# Altium PCB PCB1.PcbDoc (part 3 of 8)
Units mm, origin at the board's own origin, x right, y up, seen from the top; angles counter-clockwise.
Board outline 215 x 62.44 mm, 6 copper layers (Top Layer, Layer 1, Layer 2, Layer 3, Layer 4, Bottom Layer), stack 1.538 mm thick; 444 components, 475 nets, 1876 pads, 1257 vias.
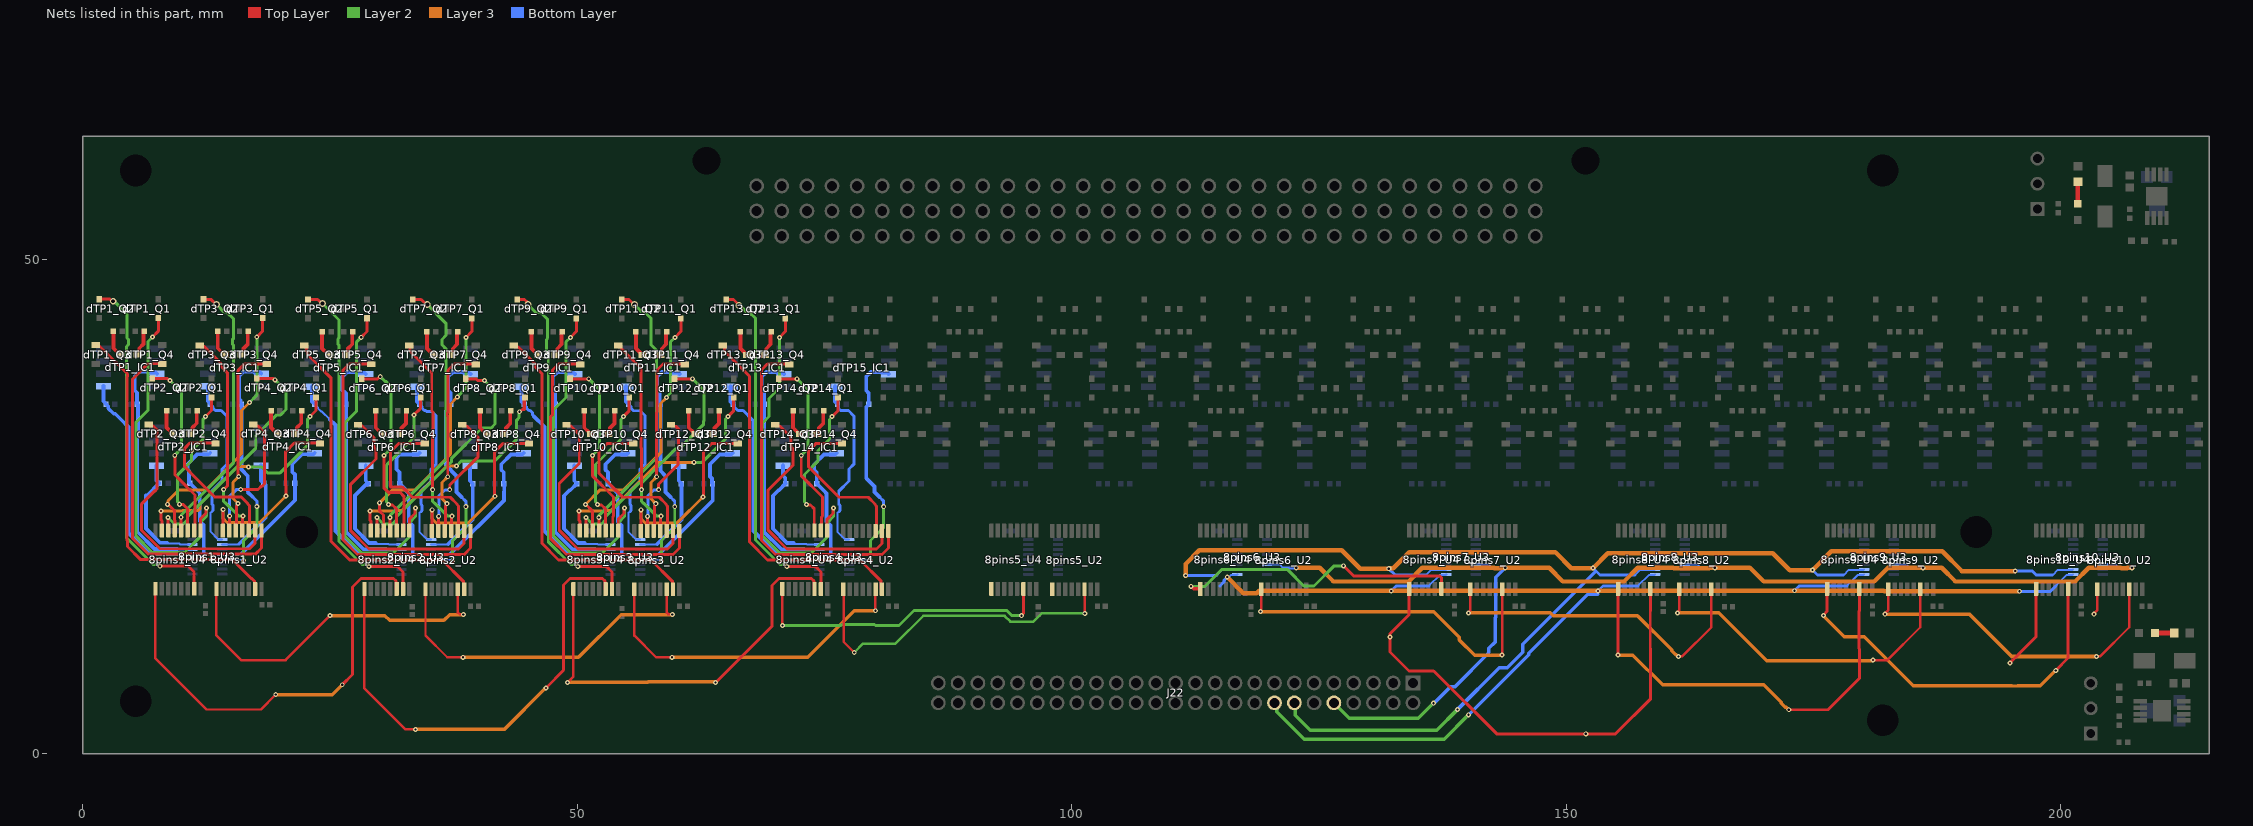
[diagram p7: the nets of this part, all layers, seen from the top]

## Via types
v1: diameter 0.5, hole 0.22, Top Layer to Bottom Layer, 884 vias
v2: diameter 0.5/0.5/0.5/0.5/0.5/0.5 (per signal layer), hole 0.22, Top Layer to Bottom Layer, tented both sides, 221 vias
v3: diameter 0.7, hole 0.4, Top Layer to Bottom Layer, 143 vias
v4: diameter 1.2, hole 0.5, Top Layer to Bottom Layer, 9 vias

## Nets (pads, with @x,y where several pads share a name; then routed paths per layer and width w, separated by ;. In a path a pad name is that pad's centre, name@x,y a point inside that pad or via, vN(x,y) a via of type N, cw(c..) or ccw(c..) an arc to the next point about the centre after c; other vN are vias at no path point) (continued)
MUXes_6TO10_A1_41: 8pins6_U3.9 8pins7_U3.9 8pins8_U3.9 8pins9_U3.9 8pins10_U3.9 J22.16 | length 151.6
  Layer 2 w0.35: J22.16@120.5,5.175 120.714,4.961 120.714,4.286 123.5,1.5 137.654,1.5 v1(140.114,3.961)
  Layer 3 w0.45: v1(115.714,17.896) 117.344,16.266 118.702,16.266 118.931,16.495 v1(132.3,16.495) v1(153.2,16.495) 153.208,16.502 173.057,16.502 v1(173.065,16.51) 181.484,16.51 181.498,16.524 182.102,16.524 182.171,16.455 v1(195.817,16.455)
  Bottom Layer w0.2: 114.984,16.995 115.481,17.492 ; v1@115.8,17.81 116.11,18.121 116.687,18.121 8pins6_U3.9@116.734,18.168 ; 136.113,16.995 137.239,18.121 137.816,18.121 8pins7_U3.9@137.863,18.168 ; 157.242,16.995 158.368,18.121 158.945,18.121 8pins8_U3.9@158.992,18.168 ; 178.371,16.995 179.497,18.121 180.074,18.121 8pins9_U3.9@180.121,18.168 ; 199.5,16.995 200.626,18.121 201.203,18.121 8pins10_U3.9@201.25,18.168
  Bottom Layer w0.3: 114.984,16.995 115.395,17.406 115.395,17.578 v1(115.714,17.896) ; v1(132.3,16.495) 132.8,16.995 136.113,16.995 ; 153.162,16.162 153.162,16.457 153.7,16.995 157.242,16.995 ; v1(173.065,16.51) 173.55,16.995 178.371,16.995 ; v1(195.817,16.455) 198.96,16.455 199.5,16.995
  Bottom Layer w0.35: v1(140.114,3.961) 140.129,3.961 146.208,10.039 146.208,10.208 152.162,16.162 153.162,16.162
MUXes_6TO10_A2_41: 8pins6_U3.10 8pins7_U3.10 8pins8_U3.10 8pins9_U3.10 8pins10_U3.10 J22.14 | length 160.8
  Layer 2 w0.35: J22.14@122.5,5.175 122.58,5.095 122.58,3.92 124.104,2.396 136.896,2.396 v1(139,4.5)
  Layer 3 w0.45: v1(111.511,18.035) 111.511,19.211 112.896,20.595 127.3,20.595 129.154,18.741 v1(132.054,18.741) ; v1@132,18.795 132.016,18.779 132.146,18.779 132.162,18.795 132.5,18.795 134.1,20.395 148.9,20.395 150.5,18.795 v1(152.7,18.795) 154.2,20.295 170.887,20.295 172.587,18.595 v1(174.9,18.595) 176.8,20.495 188.005,20.495 190.005,18.495 v1(195.4,18.495)
  Bottom Layer w0.2: 114.667,18.095 115.194,18.622 116.688,18.622 8pins6_U3.10@116.734,18.668 ; 135.796,18.095 136.323,18.622 137.817,18.622 8pins7_U3.10@137.863,18.668 ; 156.925,18.095 157.452,18.622 158.946,18.622 8pins8_U3.10@158.992,18.668 ; 178.054,18.095 178.581,18.622 180.075,18.622 8pins9_U3.10@180.121,18.668 ; 199.183,18.095 199.71,18.622 201.204,18.622 8pins10_U3.10@201.25,18.668
  Bottom Layer w0.3: v1(111.511,18.035) 114.608,18.035 114.667,18.095 ; v1(132.054,18.741) 132.7,18.095 135.796,18.095 ; v1(152.7,18.795) 152.997,18.497 153.4,18.095 156.925,18.095 ; v1(174.9,18.595) 175.4,18.095 178.054,18.095 ; v1(195.4,18.495) 197.118,18.495 197.518,18.095 199.183,18.095
  Bottom Layer w0.35: v1(139,4.5) 143.217,8.717 144.031,8.717 145.604,10.29 145.604,11.104 152.997,18.497
MUXes_6TO10_nEN_41: 8pins6_U3.6 8pins7_U3.6 8pins8_U3.6 8pins9_U3.6 8pins10_U3.6 J22.10 | length 133.1
  Layer 2 w0.35: J22.10@126.5,5.175 128.071,3.604 135.034,3.604 v1(136.565,5.136)
  Layer 3 w0.45: v1(122.696,18.827) 125.068,18.827 126.454,17.441 134.06,17.441 135.446,18.827 142.7,18.827 142.729,18.799 143.333,18.799 143.361,18.827 v1(143.825,18.827) 148.268,18.827 149.654,17.441 155.846,17.441 157.232,18.827 160.833,18.827 160.861,18.799 164.462,18.799 164.48,18.817 165.007,18.817 v1(165.016,18.827) 168.568,18.827 169.954,17.441 181.146,17.441 182.532,18.827 v1(186.083,18.827) 187.968,18.827 189.354,17.441 201.446,17.441 202.832,18.827 206.087,18.827 206.116,18.799 206.719,18.799 206.748,18.827 v1(207.212,18.827)
  Bottom Layer w0.2: 8pins6_U3.6@119.734,19.168 121.003,19.168 121.344,18.827 ; 8pins7_U3.6@140.863,19.168 142.132,19.168 142.473,18.827 ; 8pins8_U3.6@161.992,19.168 163.261,19.168 163.602,18.827 ; 8pins9_U3.6@183.121,19.168 184.39,19.168 184.731,18.827 ; 8pins10_U3.6@204.25,19.168 205.519,19.168 205.86,18.827
  Bottom Layer w0.3: 121.344,18.827 v1(122.696,18.827) ; 142.473,18.827 v1(143.825,18.827) ; 163.602,18.827 v1(165.016,18.827) ; 184.731,18.827 v1(186.083,18.827) ; 205.86,18.827 v1(207.212,18.827)
  Bottom Layer w0.35: v1@136.605,5.105 138.321,6.821 138.781,6.821 142.179,10.219 142.179,10.679 142.821,11.321 142.821,13.771 142.887,13.836 142.887,17.888 v1(143.825,18.827)
Net8pins1_U2_9: 8pins1_U2.9 8pins2_U2.14 | length 36
  Top Layer w0.25: 8pins1_U2.9@13.51,16.683 13.505,16.678 13.505,11.99 15.995,9.5 20.5,9.5 v1(25,14) ; 8pins2_U2.14@37.918,16.648 37.918,14.3 38.102,14.117 38.451,14.117 v1(38.468,14.1)
  Layer 3 w0.35: v1(25,14) 30.534,14 31.02,13.514 36.514,13.514 37.1,14.1 v1(38.468,14.1)
Net8pins1_U4_9: 8pins1_U4.9 8pins2_U4.14 | length 45.1
  Top Layer w0.25: 8pins1_U4.9@7.338,16.712 7.338,9.667 12.505,4.5 18,4.5 v1(19.5,6)
  Top Layer w0.3: v1(26.224,7) 27.272,8.048 27.272,16.883 28.131,17.742 31.413,17.742 31.647,17.508 8pins2_U4.14@31.647,16.686
  Layer 3 w0.35: v1(19.5,6) 25.224,6 v1(26.224,7)
Net8pins2_U2_9: 8pins2_U2.9 8pins3_U2.14 | length 35.3
  Top Layer w0.25: 8pins2_U2.9@34.643,16.663 34.643,11.975 36.838,9.78 v1(38.438,9.78) ; 8pins3_U2.14@59.047,16.648 59.047,14.3 59.231,14.117 59.58,14.117 v1(59.597,14.1)
  Layer 3 w0.35: v1(38.438,9.78) 50.112,9.78 54.432,14.1 v1(59.597,14.1)
Net8pins2_U4_9: 8pins2_U4.9 8pins3_U4.14 | length 48.4
  Top Layer w0.25: 8pins2_U4.9@28.472,16.692 28.472,6.637 32.628,2.48 v1(33.633,2.48)
  Top Layer w0.3: v1(46.815,6.685) 48.608,8.479 48.608,17.09 49.26,17.742 52.542,17.742 52.776,17.508 8pins3_U4.14@52.776,16.686
  Layer 3 w0.35: v1(33.633,2.48) 42.61,2.48 v1(46.815,6.685)
Net8pins3_U2_9: 8pins3_U2.9 8pins4_U2.14 | length 34.1
  Top Layer w0.25: 8pins3_U2.9@55.772,16.663 55.772,11.975 57.967,9.78 v1(59.567,9.78) ; v1(80.135,14.485) 80.143,14.493 80.143,16.615 8pins4_U2.14@80.176,16.648
  Layer 3 w0.35: v1(59.567,9.78) 73.28,9.78 77.985,14.485 v1(80.135,14.485)
Net8pins3_U4_9: 8pins3_U4.9 8pins4_U4.14 | length 42.4
  Top Layer w0.25: v1(49,7.217) 49.601,7.818 8pins3_U4.9@49.601,16.692
  Top Layer w0.3: v1(63.959,7.217) 64,7.217 69.69,12.907 69.69,17.044 70.389,17.742 73.671,17.742 73.905,17.508 73.905,16.767 8pins4_U4.14@73.98,16.692
  Layer 3 w0.35: v1(49,7.217) 49.029,7.246 49.135,7.246 49.16,7.271 57.131,7.271 57.153,7.292 63.844,7.292 63.919,7.217 v1(63.959,7.217)
Net8pins4_U2_9: 8pins4_U2.9 8pins5_U2.14 | length 34.7
  Top Layer w0.25: 8pins4_U2.9@76.901,16.663 76.918,16.646 76.918,11.353 v1(78,10.271) ; 8pins5_U2.14@101.305,16.648 101.295,16.638 101.295,14.234 v1(101.31,14.219)
  Layer 2 w0.25: v1(78,10.271) 78.885,11.156 82.156,11.156 84.971,13.971 93.206,13.971 93.788,13.389 94.628,13.389 94.659,13.358 95.18,13.358 95.212,13.389 96.118,13.389 96.948,14.219 v1(101.31,14.219)
Net8pins4_U4_9: 8pins4_U4.9 8pins5_U4.14 | length 31.4
  Top Layer w0.25: v1@70.74,13.115 8pins4_U4.9@70.74,16.682
  Top Layer w0.3: v1(94.92,13.987) 94.92,14.041 95.109,14.23 8pins5_U4.14@95.109,16.692
  Layer 2 w0.3: v1@70.756,12.995 76.659,12.995 76.745,13.081 80.051,13.081 80.137,12.995 82.524,12.995 84.029,14.5 93.425,14.5 93.938,13.987 v1(94.92,13.987)
  other v1: 70.751,13
Net8pins5_U2_9: 8pins5_U2.9
Net8pins5_U4_9: 8pins5_U4.9
Net8pins6_U2_9: 8pins6_U2.9 8pins7_U2.14 | length 35.3
  Top Layer w0.25: v1(119.075,14.404) 119.075,14.472 119.159,14.556 8pins6_U2.9@119.159,16.663 ; v1(143.5,10) 143.519,10.019 143.519,16.585 8pins7_U2.14@143.538,16.604
  Layer 3 w0.35: v1(119.075,14.404) 136.596,14.404 139.193,11.807 139.193,11.53 140.723,10 v1(143.5,10)
Net8pins6_U4_9: 8pins6_U4.9 8pins7_U4.14 | length 30.2
  Top Layer w0.3: v1@127.5,19 128.482,18.018 137.191,18.018 137.367,17.842 8pins7_U4.14@137.367,16.692
  Top Layer w0.35: v1(112.061,16.958) 112.07,16.958 112.335,16.692 8pins6_U4.9@112.988,16.692
  Layer 2 w0.3: v1(112.061,16.958) 113.458,16.958 115.133,18.633 120.799,18.633 120.808,18.642 121.35,18.642 121.358,18.633 121.83,18.633 123.463,17 124.5,17 126.531,19.031 v1(127.461,19.031)
Net8pins7_U2_9: 8pins7_U2.9 8pins8_U2.14 | length 33.9
  Top Layer w0.25: v1(140.115,14.272) 140.115,14.34 140.288,14.513 8pins7_U2.9@140.288,16.663 ; v1(161.342,9.859) 161.351,9.868 161.716,9.868 164.667,12.82 8pins8_U2.14@164.667,16.604
  Layer 3 w0.35: v1(140.115,14.272) 148.389,14.272 148.661,14 157.2,14 160.673,10.527 160.673,10.437 161.071,10.04 161.12,10.04 161.301,9.859 v1(161.342,9.859)
Net8pins7_U4_9: 8pins7_U4.9 8pins8_U4.14 | length 49.5
  Top Layer w0.3: 8pins7_U4.9@134.117,16.692 134.117,14.117 132.195,12.195 132.195,11.836 v1(132.179,11.821) 132.183,11.816 132.183,10.317 134.095,8.405 136.595,8.405 142.96,2.04 v1(151.971,2.04) 154.987,2.04 158.53,5.583 158.53,10.617 158.49,10.657 158.49,14.468 ; 158.497,14.475 8pins8_U4.14@158.497,16.694
Net8pins8_U2_9: 8pins8_U2.9 8pins9_U2.14 | length 34.2
  Top Layer w0.25: v1(161.244,14.272) 161.244,14.34 161.417,14.513 8pins8_U2.9@161.417,16.663 ; v1(181,9.5) 182.476,9.5 185.796,12.82 8pins9_U2.14@185.796,16.604
  Layer 3 w0.35: v1(161.244,14.272) 165.401,14.272 170.251,9.422 180.882,9.422 180.959,9.5 v1(181,9.5)
Net8pins8_U4_9: 8pins8_U4.9 8pins9_U4.14 | length 43.8
  Top Layer w0.3: v1(155.243,10) 155.246,10.002 8pins8_U4.9@155.246,16.692 ; v1(172.504,4.473) 176.473,4.473 179.659,7.659 179.659,10.617 179.619,10.657 179.619,14.468 ; 179.626,14.475 8pins9_U4.14@179.626,16.694
  Layer 3 w0.35: v1(155.243,10) 156.735,10 159.735,7 169.977,7 171.752,5.225 171.752,5.119 172.15,4.721 172.224,4.721 172.472,4.473 v1(172.504,4.473)
Net8pins9_U2_9: 8pins9_U2.9 8pins10_U2.14 | length 34.1
  Top Layer w0.25: v1(182.24,14.139) 182.24,14.207 182.546,14.513 8pins9_U2.9@182.546,16.663 ; v1(203.6,9.859) 203.609,9.868 203.974,9.868 206.925,12.82 8pins10_U2.14@206.925,16.604
  Layer 3 w0.355: v1(182.24,14.139) 190.78,14.139 195.06,9.859 v1(203.6,9.859)
Net8pins9_U4_9: 8pins9_U4.9 8pins10_U4.14 | length 38.7
  Top Layer w0.3: v1(176,14) 176,14.054 176.375,14.429 8pins9_U4.9@176.375,16.692 ; v1(199.5,8.451) 200.746,9.697 200.746,14.466 200.754,14.473 8pins10_U4.14@200.754,16.692
  Layer 3 w0.35: v1(176,14) 178.124,11.876 180.118,11.876 185.098,6.896 195.047,6.896 195.067,6.876 195.63,6.876 195.649,6.896 197.945,6.896 v1(199.5,8.451)
Net8pins10_U2_9: 8pins10_U2.9 | length 2.7
  Top Layer w0.25: v1(203.369,14.139) 203.369,14.207 203.675,14.513 8pins10_U2.9@203.675,16.663
Net8pins10_U4_9: 8pins10_U4.9 | length 8.6
  Top Layer w0.3: v1(194.852,9.202) 197.502,11.852 197.502,16.69 8pins10_U4.9@197.504,16.692
NetD1_1: D1.1 R11.2 | length 2
  Top Layer w0.5: D1.1@209.547,12.239 R11.2@211.501,12.239
NetD3_1: D3.1 R17.2 | length 2.2
  Top Layer w0.5: D3.1@201.718,55.646 201.718,57.868 R17.2@201.734,57.883
NetdTP1_IC1_1: 8pins1_U3.13 dTP1_IC1.1 dTP1_R5.2 | length 23.3
  Bottom Layer w0.2: 6.785,20.192 7.014,20.192 7.018,20.188 9.745,20.188 9.749,20.192 8pins1_U3.13@11.08,20.192
  Bottom Layer w0.25: 6.785,20.192 6.789,20.188
  Bottom Layer w0.381: dTP1_IC1.1@2.07,37.206 2.07,35.673 dTP1_R5.2@2.332,35.411 ; dTP1_R5.2@2.334,35.387 2.568,35.153 2.568,34.95 3.118,34.401 3.272,34.401 3.821,33.851 3.83,33.851 4.624,33.056 4.624,22.353 6.785,20.192
NetdTP1_IC1_7: 8pins1_U3.14 dTP1_IC1.7 dTP1_R6.2 | length 24.7
  Bottom Layer w0.2: 9.52,20.732 9.564,20.688 8pins1_U3.14@11.084,20.688
  Bottom Layer w0.381: dTP1_R6.2@5.482,35.411 5.482,36.529 5.232,36.779 5.232,38.194 5.705,38.668 6.7,38.668 6.781,38.587 7.361,38.587 dTP1_IC1.7@7.496,38.452 ; dTP1_R6.2@5.484,35.387 5.564,35.307 5.564,32.609 5.493,32.538 5.493,22.482 7.243,20.732 9.52,20.732
NetdTP1_Q1_1: 8pins1_U4.1 dTP1_Q1.1 | length 35.9
  Top Layer w0.3: v1(7.032,42.161) 7.622,42.751 dTP1_Q1.1@7.622,44.087 ; 8pins1_U4.1@11.872,23.29 11.872,23.762 12.457,24.347 12.457,24.786 12.508,24.837 v1(12.508,24.891)
  Layer 2 w0.3: v1(7.032,42.161) 6.58,41.71 6.58,34.76 5.345,33.525 5.345,22.071 7.047,20.37 10.273,20.37 11.873,21.97 11.873,23.409 12.508,24.044 v1(12.508,24.891)
NetdTP1_Q2_1: 8pins1_U4.15 dTP1_Q2.1 | length 36.2
  Top Layer w0.3: dTP1_Q2.1@1.646,45.987 2.75,45.987 2.955,45.782 v3(3.064,45.782) ; v1(7.784,18.993) 10.667,18.993 11.238,18.422 8pins1_U4.15@11.238,16.712
  Layer 2 w0.3: v3(3.064,45.782) 3.163,45.782 4.447,44.498 4.447,42.072 4.586,41.932 4.586,41.39 4.4,41.205 4.4,21.874 7.098,19.176 7.547,19.176 7.73,18.993 v1(7.784,18.993)
NetdTP1_Q3_1: 8pins1_U2.15 dTP1_Q3.1 | length 37
  Top Layer w0.3: dTP1_Q3.1@1.282,41.361 1.432,41.211 1.732,41.211 4.5,38.443 4.5,38.178 4.477,38.155 4.477,21.572 4.5,21.549 4.5,20.986 5.839,19.647 15.129,19.647 17.044,17.733 17.101,17.733 17.335,17.499 17.335,16.758 8pins1_U2.15@17.41,16.683
NetdTP1_Q3_3: dTP1_Q3.3 dTP1_R7.2 | length 2.7
  Top Layer w0.381: dTP1_R7.2@3.082,42.761 3.082,41.039 dTP1_Q3.3@3.547,40.573 ; dTP1_Q3.3@3.589,40.479 dTP1_Q3.3@3.914,40.479
NetdTP1_Q4_1: 8pins1_U2.1 dTP1_Q4.1 | length 35.5
  Top Layer w0.3: dTP1_Q4.1@8.032,39.461 6.567,39.461 5.031,37.926 5.031,21.802 6.631,20.201 17.42,20.201 18.06,20.841 8pins1_U2.1@18.06,22.583
NetdTP1_Q4_3: dTP1_Q4.3 dTP1_R8.2 | length 2.6
  Top Layer w0.381: dTP1_Q4.3@5.532,40.411 5.583,40.411 5.693,40.521 5.693,41.022 6.131,41.46 6.131,42.71 dTP1_R8.2@6.182,42.761
NetdTP2_IC1_1: 8pins1_U3.15 dTP2_IC1.1 dTP2_R5.2 | length 12.5
  Bottom Layer w0.2: 8.49,21.367 8.58,21.277 9.745,21.277 9.834,21.188 8pins1_U3.15@11.084,21.188
  Bottom Layer w0.381: dTP2_IC1.1@7.445,29.185 7.445,27.652 7.707,27.39 7.707,27.364 6.513,26.17 6.378,26.17 6.378,22.791 7.802,21.367 8.49,21.367
NetdTP2_IC1_7: 8pins1_U3.12 dTP2_IC1.7 dTP2_R6.2 | length 13.7
  Bottom Layer w0.2: 8pins1_U3.12@11.084,19.688 11.134,19.738 11.705,19.738 12.229,20.262 12.229,20.268
  Bottom Layer w0.381: dTP2_R6.2@10.723,27.475 10.723,28.642 10.607,28.758 10.607,29.333 11.595,30.321 12.735,30.321 dTP2_IC1.7@12.869,30.455 ; dTP2_R6.2@10.807,27.39 11.355,26.842 11.355,26.832 11.814,26.374 11.814,23.529 12.229,23.113 12.229,20.268
NetdTP2_Q1_1: 8pins1_U4.3 dTP2_Q1.1 | length 15.6
  Top Layer w0.3: v1(9.782,25.249) 9.82,25.21 10.176,25.21 10.561,24.825 8pins1_U4.3@10.561,22.531 ; v1(12.407,34.14) 12.995,34.728
  Top Layer w0.31: 12.995,34.728 12.997,34.73 dTP2_Q1.1@12.997,36.066
  Layer 2 w0.3: v1(9.782,25.249) 9.782,25.303 9.587,25.498 9.587,27.285 9.577,27.295 9.577,28.246 10.967,29.635 v1(10.967,30.674) 12.157,31.865 12.157,33.858 12.407,34.108 v1(12.407,34.14)
NetdTP2_Q2_1: 8pins1_U4.2 dTP2_Q2.1 | length 18.7
  Top Layer w0.3: dTP2_Q2.1@7.021,37.966 8.544,37.966 8.745,37.766 v1(8.799,37.766) ; v1(9.288,30.201) 9.307,30.182 9.307,28.203 9.733,27.777 11.322,26.188 11.322,25.54 11.313,25.531 11.313,22.687 8pins1_U4.2@11.238,22.612
  Layer 2 w0.3: v1(8.799,37.766) 9.976,36.588 9.976,30.891 9.288,30.203 v1(9.288,30.201)
NetdTP2_Q3_1: 8pins1_U2.2 dTP2_Q3.1 | length 25.7
  Top Layer w0.3: dTP2_Q3.1@6.657,33.34 6.832,33.166 7.132,33.166 7.495,32.803 7.495,26.794 7.319,26.618 7.276,26.618 5.904,25.246 5.904,22.655 7.804,20.755 16.857,20.755 17.405,21.304 17.405,22.578 8pins1_U2.2@17.41,22.583
NetdTP2_Q3_3: dTP2_Q3.3 dTP2_R7.2 | length 2.7
  Top Layer w0.381: dTP2_R7.2@8.457,34.74 8.457,33.018 dTP2_Q3.3@8.923,32.552 ; dTP2_Q3.3@8.965,32.458 dTP2_Q3.3@9.29,32.458
NetdTP2_Q4_1: 8pins1_U2.3 dTP2_Q4.1 | length 16
  Top Layer w0.3: dTP2_Q4.1@13.407,31.44 10.807,31.44 10.289,30.921 10.289,29.035 11.482,27.841 11.482,27.831 13.331,25.983 16.013,25.983 16.699,25.297 16.699,25.243 16.835,25.107 16.835,22.658 8pins1_U2.3@16.76,22.583
NetdTP2_Q4_3: dTP2_Q4.3 dTP2_R8.2 | length 2.6
  Top Layer w0.381: dTP2_Q4.3@10.907,32.39 10.959,32.39 11.068,32.5 11.068,33.001 11.506,33.439 11.506,34.689 dTP2_R8.2@11.557,34.74
NetdTP3_IC1_1: 8pins1_U3.1 dTP3_IC1.1 dTP3_R5.2 | length 18.2
  Bottom Layer w0.2: 13.057,24.515 13.021,24.515 12.895,24.388 12.895,22.502 13.709,21.688 8pins1_U3.1@14.084,21.688
  Bottom Layer w0.3: dTP3_R5.2@12.882,35.379 13.157,35.104 13.157,34.959 13.387,34.729 13.983,34.729 14.566,34.146 14.566,29.314 14.081,28.83 14.081,27.622 13.039,26.58 13.039,25.284 13.162,25.162 13.162,24.62 13.057,24.515
  Bottom Layer w0.381: dTP3_IC1.1@12.618,37.198 12.618,35.665 dTP3_R5.2@12.88,35.403
NetdTP3_IC1_7: 8pins1_U3.5 dTP3_IC1.7 dTP3_R6.2 | length 24.7
  Layer 2 w0.3: v1(16.252,19.547) 16.252,21.6 17.583,22.932 v1(17.583,25.025)
  Bottom Layer w0.2: 8pins1_U3.5@14.084,19.688 15.689,19.688 15.733,19.643 15.985,19.643 16.023,19.605 16.195,19.605 v1(16.252,19.547)
  Bottom Layer w0.3: 17.156,26.008 17.583,25.581 v1(17.583,25.025)
  Bottom Layer w0.35: 15.927,35.756 15.932,35.752 15.932,35.479 dTP3_R6.2@16.032,35.379
  Bottom Layer w0.381: 15.927,35.756 15.78,35.903 15.78,38.212 16.227,38.659 17.249,38.659 17.329,38.578 17.909,38.578 dTP3_IC1.7@18.044,38.444 ; dTP3_R6.2@16.032,35.379 16.032,28.763 16.657,28.137 16.657,26.508 17.156,26.008
NetdTP3_Q1_1: 8pins1_U4.5 dTP3_Q1.1 | length 27.4
  Top Layer w0.3: v1(8.556,25.249) 8.61,25.249 9.253,24.606 9.253,23.67 9.288,23.634 8pins1_U4.5@9.288,22.612 ; v1(17.58,42.153) 18.168,42.741 dTP3_Q1.1@18.168,44.103
  Layer 2 w0.3: v1(16.841,35.548) 17.58,36.287 v1(17.58,42.153)
  Layer 3 w0.3: v1(8.556,25.249) 8.595,25.287 8.595,25.597 9.691,26.694 12.385,26.694 16.029,30.338 16.029,34.736 v1(16.841,35.548)
NetdTP3_Q2_1: 8pins1_U4.4 dTP3_Q2.1 | length 27.6
  Top Layer w0.3: v1(9.907,23.941) 9.907,22.643 8pins1_U4.4@9.938,22.612 ; dTP3_Q2.1@12.194,45.979 12.931,45.979 13.465,45.445 v3(13.5,45.445)
  Layer 2 w0.3: v1(9.907,23.941) 9.945,23.979 9.945,24.163 15.242,29.46 15.242,41.312 15.149,41.405 15.149,41.947 15.242,42.039 15.242,43.996 14.555,44.682 14.288,44.682 13.525,45.445 v3(13.5,45.445)
NetdTP3_Q3_1: 8pins1_U2.4 dTP3_Q3.1 | length 21.4
  Top Layer w0.3: dTP3_Q3.1@11.83,41.353 11.98,41.203 12.28,41.203 13.934,39.549 13.934,39.224 14.6,38.558 14.6,27.11 v1(14.235,26.745) ; 8pins1_U2.4@16.11,22.583 16.145,22.618 16.145,24.032 v1(16.181,24.068)
  Layer 2 w0.3: v1(14.235,26.745) 14.235,25.543 14.411,25.367 14.456,25.367 15.755,24.068 v1(16.181,24.068)
NetdTP3_Q3_3: dTP3_Q3.3 dTP3_R7.2 | length 2.7
  Top Layer w0.381: dTP3_R7.2@13.63,42.753 13.63,41.03 dTP3_Q3.3@14.096,40.565 ; dTP3_Q3.3@14.137,40.471 dTP3_Q3.3@14.462,40.471
NetdTP3_Q4_1: 8pins1_U2.5 dTP3_Q4.1 | length 19.9
  Top Layer w0.3: 8pins1_U2.5@15.46,22.583 15.535,22.658 15.535,23.733 15.527,23.741 15.527,25.131 15.67,25.275 v1(15.67,25.329) ; v1(15.759,28.053) 15.721,28.091 15.721,28.233 15.699,28.255 15.699,38.797 16.355,39.453 dTP3_Q4.1@18.58,39.453
  Layer 3 w0.3: v1(15.67,25.329) 15.175,25.824 15.175,27.469 v1(15.759,28.053)
NetdTP3_Q4_3: dTP3_Q4.3 dTP3_R8.2 | length 2.6
  Top Layer w0.381: dTP3_Q4.3@16.08,40.403 16.131,40.403 16.241,40.512 16.241,41.013 16.679,41.452 16.679,42.702 dTP3_R8.2@16.73,42.753
NetdTP4_IC1_1: 8pins1_U3.2 dTP4_IC1.1 dTP4_R5.2 | length 11
  Bottom Layer w0.2: 8pins1_U3.2@14.084,21.188 15.739,21.188 15.81,21.259
  Bottom Layer w0.381: 15.81,21.259 18.5,23.948 18.5,27.141 dTP4_R5.2@18.276,27.366 ; dTP4_IC1.1@18.012,29.185 18.012,27.652 dTP4_R5.2@18.285,27.379
NetdTP4_IC1_7: 8pins1_U3.4 dTP4_IC1.7 dTP4_R6.2 | length 16.1
  Bottom Layer w0.2: 8pins1_U3.4@14.084,20.188 15.959,20.188
  Bottom Layer w0.381: 15.959,20.188 21.435,25.664 21.435,28.261 21.174,28.522 21.174,29.333 22.161,30.321 23.301,30.321 dTP4_IC1.7@23.436,30.455
NetdTP4_Q1_1: 8pins1_U4.7 dTP4_Q1.1 | length 25.6
  Top Layer w0.3: v1(7.911,24.586) 7.917,24.58 7.917,23.655 7.988,23.584 8pins1_U4.7@7.988,22.612 ; v1(22.974,34.14) 23.562,34.728
  Top Layer w0.31: 23.562,34.728 23.564,34.73 dTP4_Q1.1@23.564,36.066
  Layer 2 w0.3: v1(16.747,29.03) 18.074,29.03 18.709,28.395 19.9,28.395 22.724,31.219 22.724,33.858 22.974,34.108 v1(22.974,34.14)
  Layer 3 w0.3: v1(7.911,24.586) 7.919,24.595 10.053,24.595 10.089,24.63 11.678,24.63 11.854,24.806 11.854,25.289 15.656,29.091 16.544,29.091 16.567,29.068 16.709,29.068 v1(16.747,29.03)
NetdTP4_Q2_1: 8pins1_U4.6 dTP4_Q2.1 | length 24.6
  Top Layer w0.3: v1(8.599,23.926) 8.619,23.906 8.619,22.632 8pins1_U4.6@8.638,22.612 ; dTP4_Q2.1@17.588,37.966 19.251,37.966 19.379,37.839 v1(19.433,37.839)
  Layer 2 w0.3: v1(8.599,23.926) 9.263,23.261 10.153,23.261 10.561,23.67 10.561,23.995 17.477,30.912 17.477,32.168 19.603,34.294 19.999,34.294 20.542,34.837 20.542,36.729 v1(19.433,37.839)
NetdTP4_Q3_1: 8pins1_U2.6 dTP4_Q3.1 | length 14.2
  Top Layer w0.3: 8pins1_U2.6@14.81,22.583 14.827,22.601 14.827,24.035 v1(14.845,24.053) ; v1(15.963,26.745) 17.711,26.745 18.086,27.12 18.19,27.12 18.366,27.296 18.366,32.498 17.674,33.19 17.374,33.19 dTP4_Q3.1@17.224,33.34
  Bottom Layer w0.3: v1(14.845,24.053) 14.845,26.063 15.507,26.725 15.943,26.725 v1(15.963,26.745)
NetdTP4_Q3_3: dTP4_Q3.3 dTP4_R7.2 | length 2.7
  Top Layer w0.381: dTP4_R7.2@19.024,34.74 19.024,33.018 dTP4_Q3.3@19.489,32.552 ; dTP4_Q3.3@19.531,32.458 dTP4_Q3.3@19.856,32.458
NetdTP4_Q4_1: 8pins1_U2.7 dTP4_Q4.1 | length 19.1
  Top Layer w0.3: 8pins1_U2.7@14.16,22.583 14.172,22.595 14.172,24.701 v1(14.185,24.713) ; v1@20.509,26.11 v1(20.535,26.085) 20.535,27.11 20.499,27.145 20.509,27.155 20.509,30.575 21.374,31.44 dTP4_Q4.1@23.974,31.44
  Layer 3 w0.3: v1(14.185,24.713) 14.185,23.788 14.574,23.399 17.849,23.399 v1(20.535,26.085)
NetdTP4_Q4_3: dTP4_Q4.3 dTP4_R8.2 | length 2.6
  Top Layer w0.381: dTP4_Q4.3@21.474,32.39 21.525,32.39 21.634,32.5 21.634,33.001 22.073,33.439 22.073,34.689 dTP4_R8.2@22.124,34.74
NetdTP5_IC1_1: 8pins2_U3.13 dTP5_IC1.1 dTP5_R5.2 | length 23.3
  Bottom Layer w0.2: dTP5_R5.2@23.439,35.383 23.439,35.361 23.766,35.034 23.766,34.96 24.093,34.633 24.153,34.633 24.955,33.831 ; 27.919,20.172 28.147,20.172 28.151,20.168 30.879,20.168 30.883,20.172 8pins2_U3.13@32.214,20.172
  Bottom Layer w0.25: 27.919,20.172 27.923,20.168
  Bottom Layer w0.381: dTP5_IC1.1@23.177,37.178 23.177,35.645 dTP5_R5.2@23.439,35.383 ; 24.955,33.831 24.963,33.831 25.539,33.255 25.539,22.552 27.919,20.172
NetdTP5_IC1_7: 8pins2_U3.14 dTP5_IC1.7 dTP5_R6.2 | length 25
  Bottom Layer w0.2: 30.653,20.713 30.698,20.668 8pins2_U3.14@32.218,20.668
  Bottom Layer w0.381: dTP5_IC1.7@28.603,38.424 28.468,38.559 27.888,38.559 27.808,38.64 26.736,38.64 26.062,37.966 26.062,36.969 26.591,36.44 dTP5_R6.2@26.591,35.359 26.627,35.323 26.627,22.462 28.377,20.713 30.653,20.713
NetdTP5_Q1_1: 8pins2_U4.1 dTP5_Q1.1 | length 35.9
  Top Layer w0.3: v1(28.139,42.133) 28.727,42.721 dTP5_Q1.1@28.727,44.083 ; 8pins2_U4.1@33.006,23.27 33.006,23.742 33.591,24.327 33.591,24.766 33.642,24.817 v1(33.642,24.871)